# Allegro board FH8856v300_APP_BOARD_V1_PCB.brd (continued)
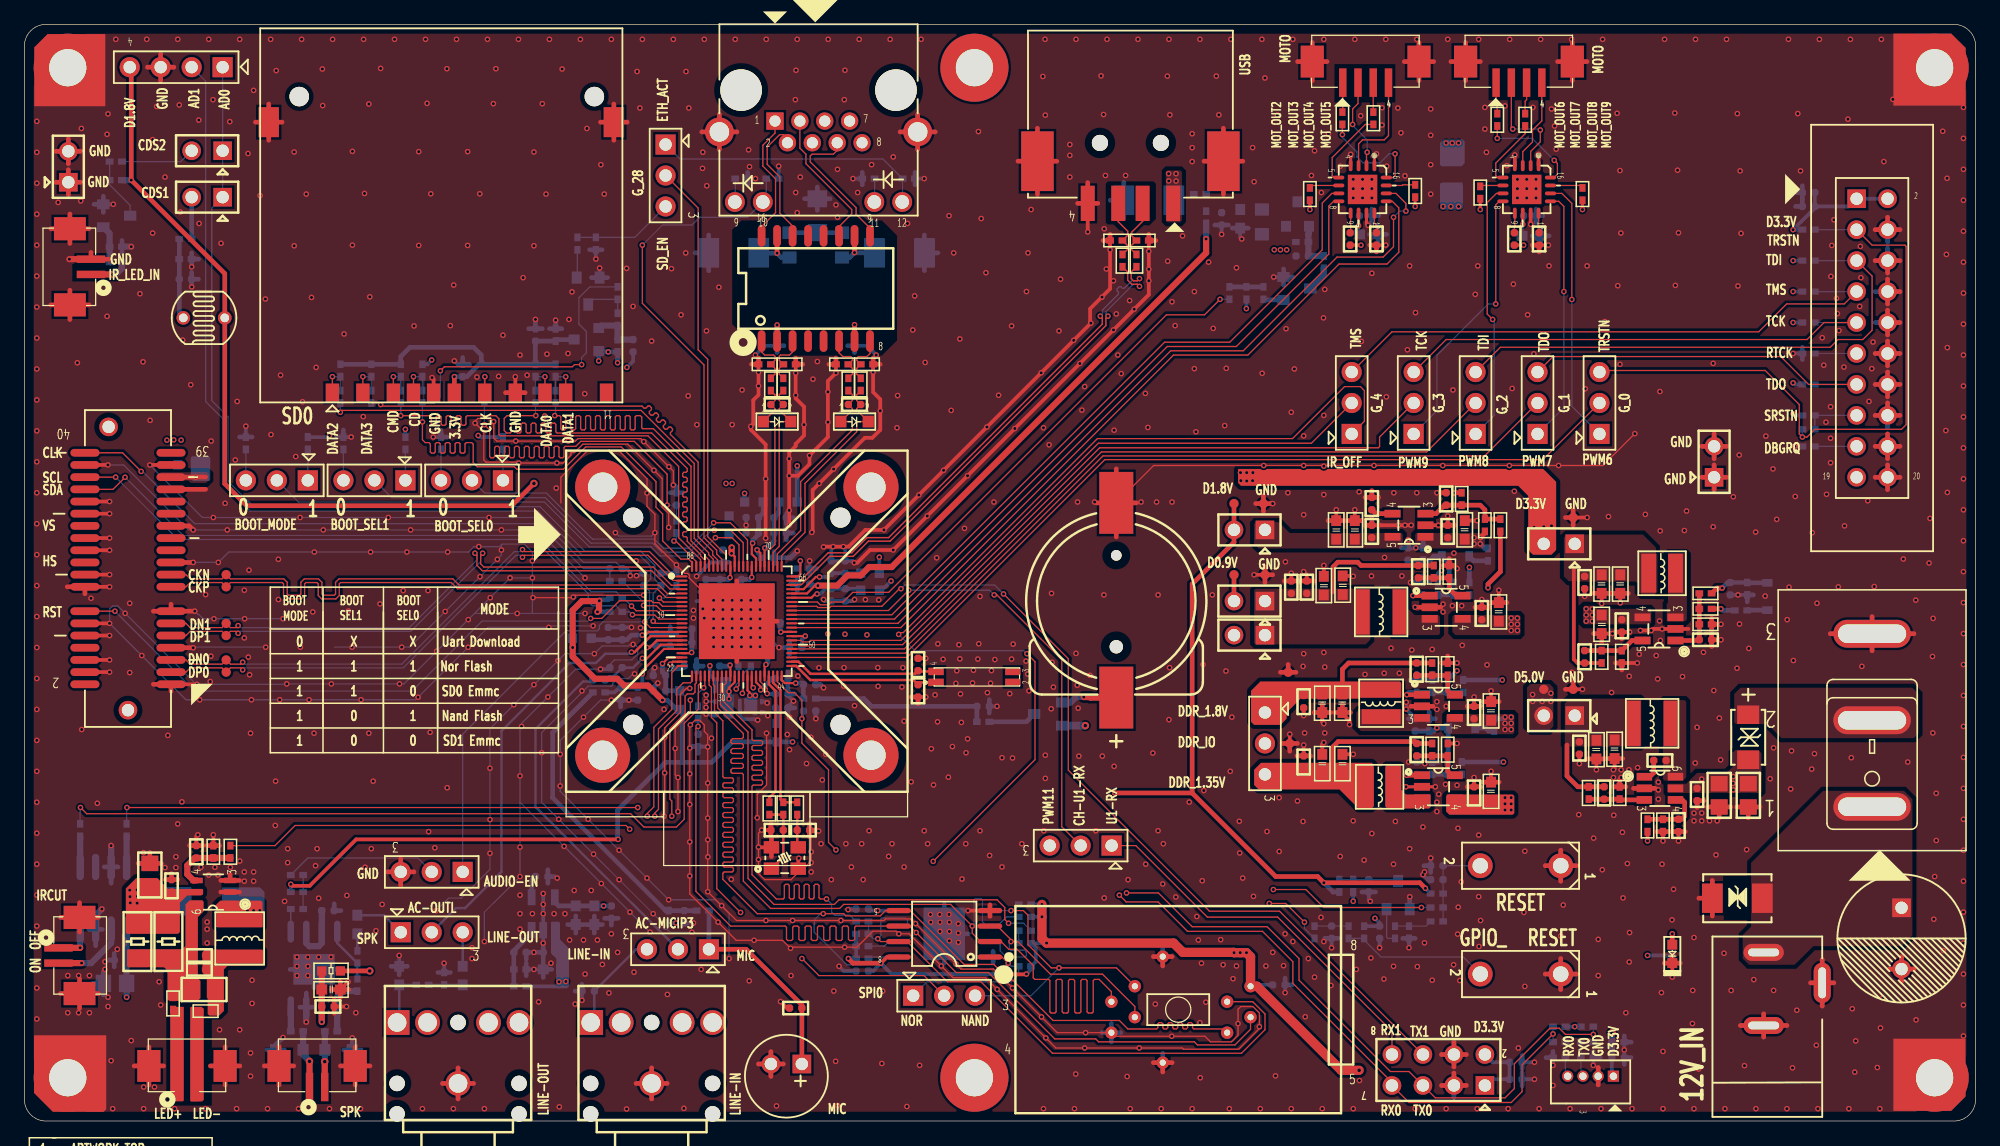
[diagram p0: board, top side]
## Routing (per net, layer and track width the routed paths; a pad name or vN(x,y) marks a point on that pad's centre or on a via; arc(x,y) is an arc through that point) (continued)
  BOTTOM w0.508: U13.7 v1(23.11,8.13) ; 8,71.75 v1(8.76,71.75) ; v1(6.35,17.4) 5.84,16.89 U19.3 ; U19.7 v1(7.11,22.61)
  vias: v1(1.02,82.04) v1(1.02,79.5) v1(1.02,76.96) v1(1.02,74.42) v1(1.02,71.88) v1(1.02,69.34) v1(1.02,66.8) v1(1.02,64.26) v1(1.02,61.72) v1(1.02,59.18) v1(1.02,56.64) v1(1.02,54.1) v1(1.02,51.56) v1(1.02,49.02) v1(1.02,46.48) v1(1.02,43.94) v1(1.02,41.4) v1(1.02,38.86) v1(1.02,36.32) v1(1.02,33.78) v1(1.02,31.24) v1(1.02,28.7) v1(1.02,26.16) v1(1.02,23.62) v1(1.02,21.08) v1(1.02,18.54) v1(1.02,16) v1(1.02,10.92) v1(1.02,8.38) v1(2.77,75.39) v1(3.56,11.94) v1(3.56,8.89) v1(4.34,62.23) v1(4.45,11.94) v1(4.45,8.89) v1(4.62,75.51) v1(4.67,81.46) v1(4.7,32.13) v1(5.33,11.94) v1(5.33,8.89) v1(5.46,42.9) v1(5.98,26.08) v1(6.6,13.08) v1(6.6,12.45) v1(6.78,80.98) v1(6.78,66.04) v1(6.86,82.65) v1(6.86,10.16) v1(6.86,9.4) v1(7.11,4.95) v1(7.24,1.02) v1(7.49,88.77) v1(7.62,14.1) v1(8.64,42.49) v1(8.64,36.8) v1(8.76,6.6) v1(9.47,67.89) v1(9.73,62.31) v1(9.77,22.03) v1(9.78,2.79) v1(9.78,1.02) v1(10.03,88.77) v1(10.31,57.51) v1(10.52,80.54) v1(10.52,72.87) v1(10.67,2.79) v1(10.85,83.26) v1(11.05,11.43) v1(11.18,9.53) v1(11.53,77.47) v1(11.53,20.8) v1(11.76,31.65) v1(12.32,1.02) v1(12.42,21.69) v1(12.42,20.8) v1(12.57,88.77) v1(12.57,24.38) v1(12.7,83.39) v1(12.78,74.6) v1(12.92,26.2) v1(12.98,64.08) v1(13.64,60.43) v1(14.3,82.14) v1(14.33,73.66) v1(14.48,20.83) v1(14.86,43.21) v1(14.86,1.02) v1(14.99,16.33) v1(14.99,15.75) v1(14.99,14.61) v1(15.11,88.77) v1(15.11,20.19) v1(15.24,36.07) v1(15.32,55.8) v1(15.29,38.15) v1(15.47,83.82) v1(15.62,20.83) v1(15.88,20.19) v1(16,7.49) v1(16.13,72.03) v1(16.46,50.7) v1(16.84,82.02) v1(16.89,20.83) v1(17.3,54.25) v1(17.45,59.05) v1(17.4,1.02) v1(17.65,88.77) v1(17.65,21.34) v1(17.65,7.49) v1(18.03,43.56) v1(18.03,39.65) v1(18.03,20.45) v1(18.03,19.68) v1(18.34,79.4) v1(18.41,45.21) v1(18.36,38.07) v1(18.47,36.63) v1(18.54,31.83) v1(18.54,5.59) v1(18.54,3.68) v1(18.67,11.56) v1(18.67,9.65) v1(18.8,84.58) v1(18.8,20.45) v1(18.8,19.68) v1(19.33,75.95) v1(19.76,67.46) v1(19.94,1.02) v1(20.19,88.77) v1(20.22,56.34) v1(20.6,27.89) v1(20.57,24.26) v1(20.65,86.21) v1(20.83,46.1) v1(20.83,42.8) v1(21.01,61.21) v1(21.34,18.03) v1(21.59,22.35) v1(21.59,21.21) v1(22.12,79.53) v1(22.12,71.83) v1(22.25,54.53) v1(22.35,13.46) v1(22.35,12.7) v1(22.35,11.94) v1(22.48,1.02) v1(22.63,38.89) v1(22.73,88.77) v1(23.11,76.07) v1(23.24,13.46) v1(23.24,12.7) v1(23.24,11.94) v1(23.55,67.59) v1(23.65,41.78) v1(23.75,31.83) v1(23.93,61.85) v1(23.88,20.95) v1(24,22.35) v1(24.13,18.29) v1(24.13,13.46) v1(24.43,86.33) v1(24.46,83.34) v1(25.02,1.02) v1(25.15,13.46) v1(25.27,88.77) v1(26.21,64.59) v1(26.44,18.52) v1(26.57,41.86) v1(26.9,79.58) v1(26.9,71.88) v1(27.18,8.89) v1(27.56,1.02) v1(27.81,88.77) v1(27.79,57.81) v1(27.89,76.12) v1(27.94,20.83) v1(28.24,83.46) v1(28.24,31.83) v1(28.32,67.64) v1(28.45,22.35) v1(28.6,27.89) v1(28.83,15.62) v1(29.21,86.39) v1(29.16,42.44) v1(29.34,17.78) v1(30.35,88.77) v1(31.06,43.54) v1(31.95,65.25) v1(32.33,79.55) v1(32.33,71.86) v1(32.64,1.02) v1(32.89,88.77) v1(33.02,83.52) v1(33.1,43.54) v1(33.15,23.75) v1(33.32,76.1) v1(33.27,31.9) v1(33.66,22.43) v1(34.65,86.36) v1(34.67,27.36) v1(34.92,65.28) v1(35.2,68.61) v1(35.18,1.02) v1(35.43,88.77) v1(36.35,79.55) v1(36.35,71.86) v1(36.7,14.22) v1(36.7,13.34) v1(37.11,61.06) v1(37.34,76.1) v1(37.72,1.02) v1(37.97,88.77) v1(38.46,83.49) v1(38.66,86.36) v1(38.89,61.11) v1(39.24,64.49) v1(40.51,88.77) v1(40.64,62.87) v1(40.64,18.54) v1(40.64,17.02) v1(40.64,15.75) v1(40.89,69.22) v1(41.22,61.21) v1(41.66,17.02) v1(41.78,79.53) v1(41.78,71.83) v1(41.78,13.84) v1(42.16,9.78) v1(42.47,83.49) v1(42.67,57.86) v1(42.77,76.07) v1(42.85,62.94) v1(43.05,88.77) v1(43.18,12.95) v1(43.43,17.02) v1(43.61,51.94) v1(43.69,19.94) v1(43.87,1.17) v1(44.09,86.33) v1(44.32,17.02) v1(44.58,62.99) v1(44.65,65.79) v1(44.7,14.86) v1(44.91,68.05) v1(45.09,18.92) v1(45.16,9.6) v1(45.59,88.77) v1(45.85,14.86) v1(45.95,59.69) v1(45.97,12.06) v1(46.13,81.46) v1(46.48,18.92) v1(46.99,14.86) v1(47.27,78.49) v1(47.4,12.85) v1(47.55,76.07) v1(47.93,10.52) v1(48.13,88.77) v1(48.13,15.37) v1(48.64,13.84) v1(49.38,69.98) v1(49.38,0.99) v1(49.91,66.85) v1(49.99,12.22) v1(50.24,86.13) v1(50.16,45.97) v1(50.47,83.13) v1(50.67,88.77) v1(51.44,64.01) v1(52.45,33.78) v1(52.73,10.39) v1(53.06,69.95) v1(53.21,88.77) v1(53.85,66.17) v1(54.08,1.04) v1(54.23,71.25) v1(54.25,86.13) v1(54.43,59.51) v1(54.48,83.13) v1(54.86,41.91) v1(54.86,41.27) v1(55.14,57.15) v1(55.5,12.45) v1(55.63,79.51) v1(55.61,78.19) v1(55.63,42.04) v1(55.75,88.77) v1(55.93,64.85) v1(55.89,33.94) v1(55.96,76.76) v1(56.34,31.42) v1(56.52,41.97) v1(56.52,41.21) v1(56.52,40.45) v1(56.52,39.69) v1(56.95,68.43) v1(57.28,41.97) v1(57.28,41.21) v1(57.28,40.45) v1(57.28,39.69) v1(58.04,57.15) v1(58.04,42.74) v1(58.04,41.97) v1(58.04,41.21) v1(58.04,40.45) v1(58.04,39.69) v1(58.04,38.93) v1(58.29,88.77) v1(58.8,42.74) v1(58.8,41.97) v1(58.8,41.21) v1(58.8,40.45) v1(58.8,39.69) v1(58.85,59.99) v1(59.21,64.49) v1(59.39,79.71) v1(59.44,11.51) v1(59.46,78.32) v1(59.56,42.74) v1(59.56,41.97) v1(59.56,41.21) v1(59.56,40.45) v1(59.56,39.69) v1(60.33,42.74) v1(60.33,41.97) v1(60.33,41.21) v1(60.33,39.69) v1(60.83,88.77) v1(61.67,1.24) v1(62.56,31.72) v1(62.74,33.15) v1(62.74,30.48) v1(62.87,11.94) v1(63.22,83.82) v1(63.25,76.2) v1(63.27,86.23) v1(63.37,88.77) v1(63.37,74.55) v1(63.42,36.53) v1(63.63,77.47) v1(64.14,29.34) v1(64.49,31.5) v1(64.67,60.88) v1(65.02,62.33) v1(65.15,37.2) v1(65.91,88.77) v1(65.89,39.98) v1(66.37,10.67) v1(66.55,75.18) v1(66.52,4.9) v1(66.67,78.11) v1(66.67,74.17) v1(66.67,1.27) v1(67.23,83.82) v1(67.21,37.21) v1(67.18,35.7) v1(67.28,86.23) v1(67.28,39.95) v1(68.07,34.09) v1(68.33,76.2) v1(68.45,88.77) v1(68.96,42.8) v1(69.09,39.9) v1(69.47,78.49) v1(69.98,37.21) v1(70,35.67) v1(70.05,42.77) v1(70.31,4.72) v1(70.38,10.67) v1(70.99,88.77) v1(71.25,79.12) v1(71.6,59.54) v1(71.55,56.9) v1(72.03,37.21) v1(71.96,35.62) v1(72.14,32.82) v1(72.42,73.66) v1(72.36,1.19) v1(72.85,64.92) v1(73,67.72) v1(73.41,4.57) v1(73.53,88.77) v1(73.86,62.26) v1(74.3,16.95) v1(74.32,16.32) v1(74.37,30.56) v1(74.55,27.58) v1(74.68,34.98) v1(74.9,39.17) v1(74.88,32.77) v1(75.06,16.95) v1(75.08,16.32) v1(75.08,15.56) v1(75.34,37.9) v1(75.82,74.3) v1(75.77,28.22) v1(75.82,16.95) v1(75.84,16.32) v1(75.84,15.56) v1(75.84,14.8) v1(76,58.32) v1(76.1,30.73) v1(76.2,71.25) v1(76.38,35.92) v1(76.45,36.96) v1(76.63,39.09) v1(76.58,16.19) v1(76.58,15.43) v1(76.58,14.67) v1(76.71,64.19) v1(76.71,37.93) v1(76.76,35.05) v1(76.83,32.72) v1(76.89,19.86) v1(77.09,48.64) v1(77.22,30.23) v1(77.34,31.37) v1(77.75,35.95) v1(77.83,37) v1(78.23,81.2) v1(78.18,37.91) v1(78.26,39.17) v1(78.36,43.05) v1(78.46,74.07) v1(78.84,69.62) v1(78.97,35.15) v1(79.22,35.93) v1(79.3,36.97) v1(79.5,50.8) v1(79.58,37.87) v1(79.88,59.56) v1(80.16,29.82) v1(80.8,35.08) v1(80.95,65.25) v1(80.95,37.91) v1(81.03,29.79) v1(81.08,39.14) v1(82.13,37.74) v1(82.17,68.07) v1(82.3,71.25) v1(82.27,36.69) v1(82.37,35.31) v1(82.55,74.8) v1(83.52,85.72) v1(83.57,56.9) v1(83.57,1.02) v1(83.69,88.77) v1(83.72,82.55) v1(83.72,30.02) v1(83.72,28.12) v1(84.02,55.5) v1(84.23,43.31) v1(84.2,33.83) v1(84.28,37.64) v1(84.38,35.61) v1(84.84,64.85) v1(84.96,69.09) v1(85.72,80.14) v1(85.72,79.25) v1(85.72,77.47) v1(86.11,1.02) v1(86.23,88.77) v1(86.23,38.38) v1(86.21,3.86) v1(86.33,35.76) v1(86.36,50.8) v1(86.41,33.88) v1(86.46,29.95) v1(86.72,58.34) v1(86.94,60.27) v1(87.38,36.58) v1(87.76,50.8) v1(88.29,85.78) v1(88.37,67.61) v1(88.39,29.95) v1(88.49,82.6) v1(88.54,73.23) v1(88.52,43.18) v1(88.54,18.31) v1(88.65,77.6) v1(88.72,69.93) v1(88.77,88.77) v1(89.31,68.96) v1(89.36,56.69) v1(89.53,66.24) v1(89.66,62.87) v1(89.94,61.34) v1(90.3,77.6) v1(90.42,3.66) v1(90.63,67.34) v1(90.68,1.02) v1(91.31,88.77) v1(91.57,50.8) v1(91.92,59.72) v1(92.13,56.92) v1(92.53,30.2) v1(92.74,9.6) v1(92.84,50.8) v1(92.96,43.18) v1(92.96,23.83) v1(93.22,1.02) v1(93.73,85.75) v1(93.75,70.56) v1(93.85,88.77) v1(93.93,82.58) v1(93.9,37.21) v1(93.85,32.94) v1(94.11,67.23) v1(94.11,50.8) v1(94.36,65.28) v1(94.41,18.39) v1(94.97,72.64) v1(95.52,26.17) v1(95.76,81.03) v1(95.76,79.88) v1(95.76,78.74) v1(95.76,1.02) v1(95.94,68.07) v1(95.94,61.75) v1(96.06,56.57) v1(96.14,16.79) v1(96.27,14.86) v1(96.39,88.77) v1(96.39,8.08) v1(96.42,3.56) v1(96.52,12.95) v1(96.65,37.47) v1(96.71,27.12) v1(96.88,9.75) v1(97.1,70.48) v1(97.41,43.18) v1(97.49,65.05) v1(97.74,85.75) v1(97.94,82.58) v1(98.09,14.88) v1(98.3,12.83) v1(98.42,57.07) v1(98.53,36.93) v1(98.55,61.77) v1(98.81,1.02) v1(98.93,88.77) v1(98.88,28.7) v1(99.01,33.15) v1(99.11,11.68) v1(99.39,70.03) v1(99.39,12.73) v1(99.62,24.6) v1(99.65,22) v1(99.9,19.94) v1(100.71,79.88) v1(100.84,77.09) v1(101.35,1.02) v1(101.47,88.77) v1(101.5,61.37) v1(101.73,85.6) v1(101.8,12.73) v1(101.89,23.76) v1(102.36,13.84) v1(102.59,3.71) v1(102.74,82.55) v1(102.9,26.54) v1(102.9,22.12) v1(103.25,12.75) v1(103.4,45.9) v1(103.38,15.37) v1(103.45,65.02) v1(103.61,51.56) v1(103.89,58.17) v1(103.89,1.02) v1(104.01,88.77) v1(104.01,14.73) v1(104.14,61.72) v1(104.39,26.26) v1(104.9,56.24) v1(104.9,49.76) v1(104.9,38.35) v1(104.85,37.31) v1(104.85,24.59) v1(104.98,31.85) v1(105.03,8.56) v1(105.28,13.34) v1(105.54,77.6) v1(105.79,79.63) v1(105.79,11.81) v1(106.35,76.2) v1(106.32,16.71) v1(106.43,1.02) v1(106.53,65.91) v1(106.55,88.77) v1(106.63,68.25) v1(106.55,57.91) v1(106.55,53.75) v1(106.55,51.41) v1(106.55,38.46) v1(106.63,37.26) v1(106.63,31.85) v1(106.55,14.73) v1(106.93,81.03) v1(107.14,11.13) v1(107.9,78.36) v1(107.9,21.72) v1(108.97,77.28) v1(108.97,76.52) v1(108.97,75.76) v1(108.97,24.64) v1(108.97,1.02) v1(109.09,88.77) v1(109.22,12.45) v1(109.45,51.64) v1(109.47,3.33) v1(109.58,82.5) v1(109.63,63.98) v1(109.73,77.28) v1(109.73,76.52) v1(109.73,75.76) v1(109.93,36.65) v1(109.86,21.41) v1(110.41,13.39) v1(110.49,77.28) v1(110.49,76.52) v1(110.49,75.76) v1(110.49,69.57) v1(110.46,44.73) v1(110.49,23.6) v1(111.33,83.16) v1(111.33,81.74) v1(111.53,46.25) v1(111.51,36.75) v1(111.48,11.66) v1(111.51,1.02) v1(111.63,88.77) v1(111.71,78.36) v1(111.68,59.44) v1(112.06,38.81) v1(112.29,51.56) v1(112.27,21.08) v1(112.27,12.7) v1(112.42,24.59) v1(112.62,83.13) v1(112.75,36.75) v1(112.88,81.1) v1(112.95,44.73) v1(113.21,77.57) v1(113.41,63.3) v1(113.59,70.18) v1(113.59,22.35) v1(113.77,38.66) v1(114.05,42.16) v1(114.05,1.02) v1(114.07,66.34) v1(114.17,88.77) v1(114.17,51.56) v1(114.22,12.67) v1(114.68,24.13) v1(114.81,20.45) v1(114.81,14.63) v1(115.32,83.06) v1(115.32,80.9) v1(115.32,78.49) v1(115.32,76.07) v1(115.44,38.71) v1(115.44,11.56) v1(115.82,34.42) v1(115.82,33.78) v1(115.82,26.16) v1(115.82,25.4) v1(115.98,26.82) v1(116.33,42.42) v1(116.33,41.78) v1(116.54,27.64) v1(116.59,34.04) v1(116.59,1.02) v1(116.71,88.77) v1(117.14,59.99) v1(117.09,42.29) v1(117.22,46.61) v1(117.2,12.83) v1(117.47,27.56) v1(117.53,15.34) v1(117.55,24.03) v1(117.58,17.55) v1(117.7,11.53) v1(117.83,19.63) v1(117.86,42.29) v1(117.91,39.04) v1(118.97,67.84) v1(119.13,1.02) v1(119.18,70.18) v1(119.25,88.77) v1(119.25,23.47) v1(119.25,18.41) v1(119.28,14.33) v1(119.41,16.46) v1(119.76,83.19) v1(119.76,81.41) v1(119.89,79.5) v1(119.94,37.44) v1(121.41,83.31) v1(121.56,78.41) v1(121.67,1.02) v1(121.79,88.77) v1(122,60.12) v1(122.1,68.68) v1(122.17,51.69) v1(122.43,77.28) v1(122.43,76.52) v1(122.43,75.76) v1(122.5,5.99) v1(123.04,22.15) v1(122.96,17.12) v1(123.04,11.05) v1(123.19,77.28) v1(123.19,76.52) v1(123.19,75.76) v1(123.27,66.17) v1(123.7,83.19) v1(123.77,62.97) v1(123.95,77.28) v1(123.95,76.52) v1(123.95,75.76) v1(124.21,1.02) v1(124.33,88.77) v1(125.02,70.18) v1(125.22,83.06) v1(125.35,2.92) v1(125.48,81.66) v1(125.6,79.76) v1(125.98,15.19) v1(126.19,17.73) v1(126.75,1.02) v1(126.87,88.77) v1(126.89,36.83) v1(127.46,25.15) v1(127.99,60.1) v1(128.14,70.18) v1(128.68,23.22) v1(129.06,14.91) v1(129.06,11.94) v1(129.29,1.02) v1(129.41,88.77) v1(129.39,20.62) v1(129.59,65.61) v1(129.9,49.61) v1(130.15,35.17) v1(130.3,28.19) v1(130.33,25.1) v1(130.61,82.7) v1(130.66,68.55) v1(130.84,78) v1(130.84,62.1) v1(130.91,72.87) v1(130.94,28.83) v1(130.94,28.19) v1(131.04,23.7) v1(131.09,18.31) v1(131.32,8.89) v1(131.44,21.13) v1(131.6,36.5) v1(131.57,28.83) v1(131.57,28.19) v1(131.62,15.47) v1(131.6,13.06) v1(131.83,1.02) v1(132.28,29.01) v1(132.42,38.31) v1(132.92,49.78) v1(133.81,38.2) v1(133.93,36.28) v1(133.99,27.81) v1(133.99,27.18) v1(133.99,26.42) v1(134.11,59.87) v1(134.14,48.44) v1(134.08,41.04) v1(134.16,39.44) v1(134.24,10.54) v1(134.29,21.08) v1(134.37,5.71) v1(134.37,1.02) v1(134.49,88.77) v1(135.1,16.51) v1(135.23,19.02) v1(135.33,82.73) v1(135.38,68.58) v1(135.56,78.03) v1(135.64,72.9) v1(135.97,36.47) v1(136.12,48.46) v1(136.1,38.39) v1(136.3,50.06) v1(136.8,10.72) v1(136.78,8) v1(136.91,25.27) v1(136.91,24.64) v1(136.91,15.06) v1(136.91,1.02) v1(137.03,88.77) v1(137.01,29.39) v1(137.16,32.31) v1(137.29,4.27) v1(137.54,25.27) v1(137.54,24.64) v1(137.68,38.47) v1(138.18,24.64) v1(138.48,62.18) v1(138.48,48.77) v1(138.53,35.33) v1(138.71,21.84) v1(138.81,24.64) v1(138.99,33.07) v1(139.09,29.64) v1(139.37,13.77) v1(139.45,1.02) v1(139.57,88.77) v1(139.95,10.72) v1(140.13,51.23) v1(140.44,37.16) v1(140.46,82.68) v1(140.51,68.53) v1(140.61,54.66) v1(140.64,40.79) v1(140.69,77.98) v1(140.77,72.85) v1(141.05,4.55) v1(141.22,22.28) v1(141.4,38.79) v1(141.81,11.61) v1(141.96,48.34) v1(141.99,1.02) v1(142.75,43.08) v1(142.8,56.21) v1(143.15,28.09) v1(143.38,53.52) v1(143.43,30.63) v1(143.43,10.72) v1(143.69,49.38) v1(144.53,1.02) v1(144.55,41.15) v1(144.65,88.77) v1(144.7,43.81) v1(144.83,27.25) v1(144.91,30.38) v1(144.98,4.37) v1(145.06,37.8) v1(145.21,51.26) v1(145.34,9.09) v1(145.41,82.68) v1(145.64,77.98) v1(146.61,48.29) v1(146.56,28.88) v1(146.79,30.15) v1(146.94,6.22) v1(146.99,42.49) v1(147.07,1.02) v1(147.19,88.77) v1(147.42,64.29) v1(147.55,62.03) v1(147.73,57.35) v1(147.78,51.44) v1(148.13,69.32) v1(148.11,58.62) v1(148.11,56.03) v1(148.11,54.03) v1(148.21,71.86) v1(148.39,73.96) v1(148.59,67.51) v1(148.67,66.27) v1(148.74,43.84) v1(148.79,64.87) v1(149.2,61.87) v1(149.25,48.84) v1(149.53,82.22) v1(149.61,1.02) v1(149.73,88.77) v1(149.81,29.82) v1(149.89,9.22) v1(150.09,4.01) v1(150.16,6.58) v1(150.55,71.78) v1(150.5,66.85) v1(150.6,69.22) v1(150.67,37.31) v1(151.16,50.9) v1(151.26,59.05) v1(151.49,61.75) v1(151.59,63.93) v1(151.69,43.87) v1(151.94,4.39) v1(152.15,1.02) v1(152.2,7.65) v1(152.27,88.77) v1(152.37,10.08) v1(152.48,78.74) v1(153.21,83.85) v1(154.08,46.13) v1(154.43,29.46) v1(155.09,42.75) v1(155.12,8.31) v1(156.18,45.8) v1(156.26,49.45) v1(156.51,41.25) v1(156.46,38.13) v1(156.49,31.85) v1(156.64,20.07) v1(156.57,16.56) v1(156.77,26.9) v1(156.77,23.03) v1(157.3,81.23) v1(157.35,14) v1(157.61,71.12) v1(157.56,56.67) v1(157.66,77.37) v1(157.68,63.47) v1(157.68,51.59) v1(159,83.19) v1(159,80.64) v1(159,78.11) v1(159,75.56) v1(159,73.03) v1(159,70.48) v1(159,67.94) v1(159,65.41) v1(159,62.87) v1(159,60.33) v1(159,57.78) v1(159,55.24) v1(159,52.7) v1(159,50.16) v1(159,47.62) v1(159,45.09) v1(159,42.55) v1(159,40.01) v1(159,37.47) v1(159,34.92) v1(159,32.38) v1(159,29.84) v1(159,27.3) v1(159,24.77) v1(159,22.23) v1(159,19.68) v1(159,17.14) v1(159,14.61) v1(159,12.06) v1(159,9.53) v1(159,6.99)
VBUS:
  vias: v1(93.83,77.75) v1(93.84,77.15) v1(94.44,77.75) v1(94.44,77.14)
AC_MICBIAS: length 8.4
  TOP w0.178: U14.18 52.46,38.75 50.67,36.96 v1(50.67,36.7)
  BOTTOM w0.305: R107.2 48.39,35.18 48.77,35.56 C135.1 C114.1 50.67,35.94 v1(50.67,36.7)
AC_MICIP: length 29.3
  BOTTOM w0.201: JP17.2 41.91,25.78 41.91,32.18 45.8,36.07 46.48,36.07 C56.2
AC_OUTL: length 37.4
  TOP w0.201: U14.15 51.35,39.8 50.48,38.92 50.48,38.92 50.23,38.67 50.23,38.67 50.04,38.48 49.79,38.48 v1(49.78,38.48)
  BOTTOM w0.201: v1(49.78,38.48) 49.66,38.35 47.62,38.35 46.86,37.59 44.7,37.59 39.12,32 39.12,20.45 36.14,17.48 35.38,17.48 JP23.2
AMP+: length 4.7
  BOTTOM w0.508: R94.1 U13.5 25.65,10.16 26.16,10.67 R98.2
AMP-: length 2
  BOTTOM w0.508: U13.8 R90.1
ARM_DBGRQ: length 3.4
  BOTTOM w0.102: R142.1 U18.17
ARM_JTAG_TCK: length 41.4
  TOP w0.102: U18.9 147.57,65.53 146.18,64.14 116.59,64.14 JP9.3
  BOTTOM w0.102: R138.1 U18.9
ARM_JTAG_TDI: length 43.6
  TOP w0.102: JP7.3 121.03,63.5 148.08,63.5 148.72,64.14 150.75,64.14 151.51,64.9 151.51,69.34 U18.5
  BOTTOM w0.102: R136.1 U18.5
ARM_JTAG_TDO: length 31.1
  TOP w0.102: U18.13 146.3,60.45 144.02,62.74 125.35,62.74 JP12.3
  BOTTOM w0.102: R140.1 U18.13
ARM_JTAG_TMS: length 47.6
  TOP w0.102: U18.7 149.22,67.06 144.5,67.06 142.21,64.77 112.14,64.77 JP10.3
  BOTTOM w0.102: R137.1 U18.7
ARM_JTAG_TRSTN: length 52.6
  TOP w0.102: U18.3 151.51,71.88 154.2,71.88 154.31,71.78 154.31,57.15 153.92,56.77 146.81,56.77 146.18,56.13 v1(145.8,56.13) 145.54,56.39 145.54,58.8 142.75,61.59 129.29,61.59 JP11.3
  BOTTOM w0.102: R135.1 U18.3 ; R143.1 v1(145.8,56.13)
BOOT_MODE: length 43.1
  TOP w0.102: U14.77 58.6,47.3 58.01,47.88 v1(56.67,47.88)
  BOTTOM w0.102: JP1.2 22.48,50.8 42.65,50.8 46.33,47.12 51.38,47.12 52.12,46.38 55.17,46.38 v1(56.67,47.88)
BOOT_SEL0: length 28.5
  TOP w0.102: v1(56.52,49.1) 57.89,49.1 59.3,47.69 U14.75
  BOTTOM w0.102: v1(56.52,49.1) 56.52,49.07 54.46,47.02 52.38,47.02 51.65,47.75 46.59,47.75 42.81,51.54 37.74,51.54 JP3.2
BOOT_SEL1: length 35.8
  TOP w0.102: U14.76 58.95,47.46 57.91,48.49 v1(56.57,48.49)
  BOTTOM w0.102: v1(56.57,48.49) 56.34,48.49 54.53,46.69 52.25,46.69 51.51,47.42 46.46,47.42 42.72,51.16 30.12,51.16 JP2.2
CDS1: length 3.4
  BOTTOM w0.381: R129.2 JP29.2
CDS2: length 6.1
  BOTTOM w0.102: 8,78.74 12.83,78.74 JP30.2
CH_UART1_RX: length 41.1
  TOP w0.102: JP22.2 85.06,24.16 85.06,37.86 79.74,43.18 v1(79.53,43.18) ; U14.58 70.85,41.9 v1(72.52,43.56)
  BOTTOM w0.102: v1(79.53,43.18) 79.15,43.56 v1(72.52,43.56)
CIS_CLK: length 48
  TOP w0.102: J3.40 8.05,54.84 v1(9.58,53.31)
  BOTTOM w0.102: R33.1 C52.2 45.85,45.34 42.16,49.02 13.97,49.02 11.58,51.41 9.68,53.31 v1(9.58,53.31)
CIS_RSTN: length 54.9
  TOP w0.102: J3.14 v1(7.43,41.84) ; U14.8 52.32,42.25 52.03,42.55 51.56,42.55 51.41,42.7 48.79,42.7 47.35,41.25 v1(46.43,41.25)
  BOTTOM w0.102: v1(46.43,41.25) 46.2,41.02 37.52,41.02 31.78,35.28 13.99,35.28 v1(7.43,41.84)
